# Altium PCB TRNG_ying_0_2.PcbDoc
Units mm, origin at the board's own origin, x right, y up, seen from the top; angles counter-clockwise.
Board outline 53.34 x 14.73 mm, 2 copper layers (Top Layer, Bottom Layer); 39 components, 30 nets, 160 pads, 29 vias.
Unrouted connection lines stored in the file: 27.
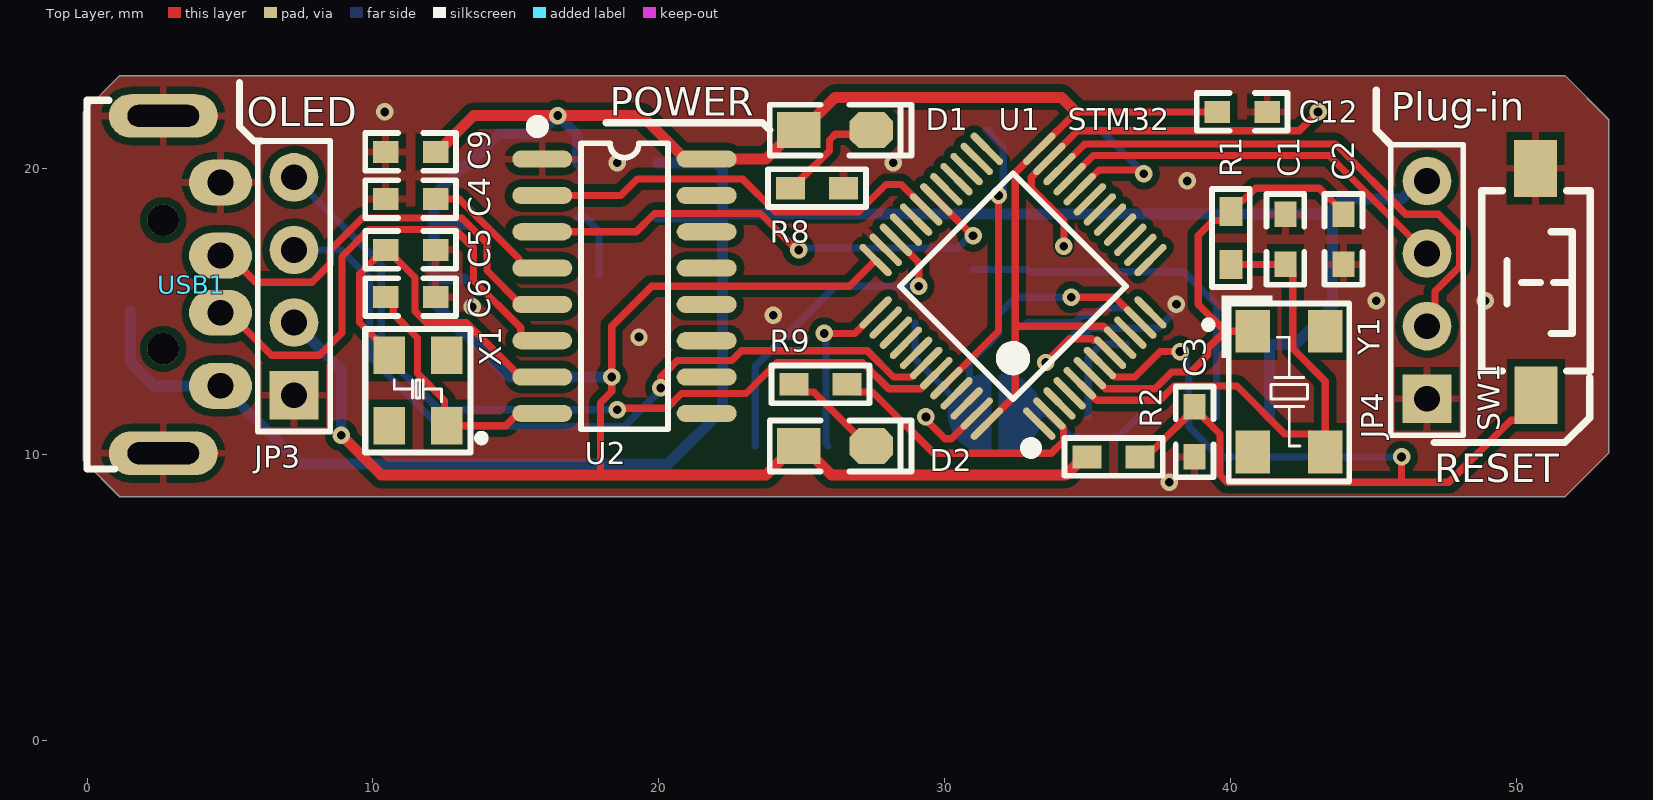
[diagram p0: Top Layer view]
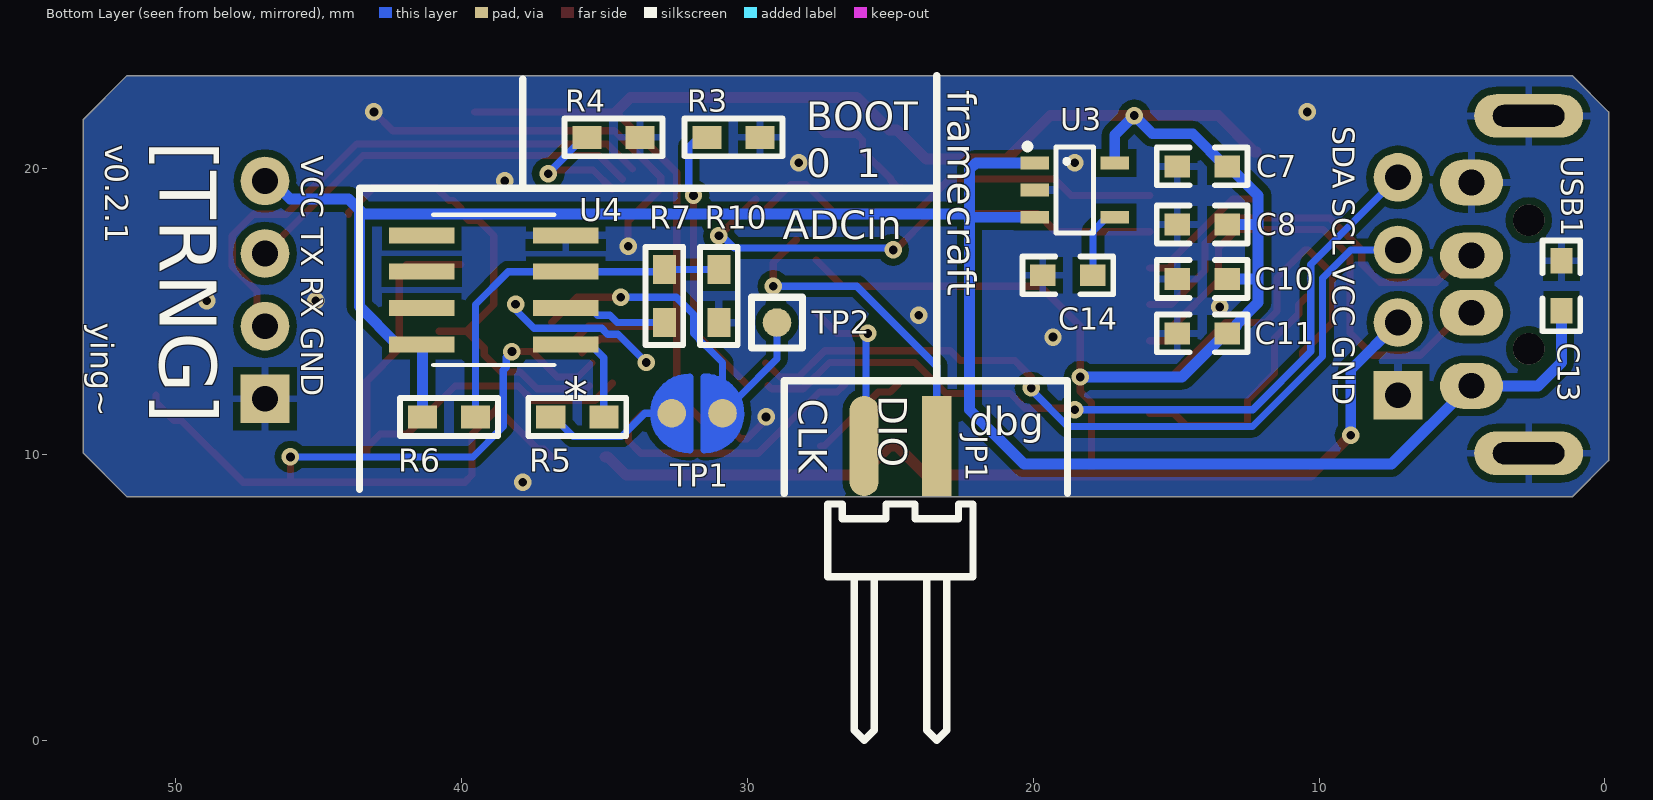
[diagram p1: Bottom Layer view, seen from below]

## Layer stack, top to bottom
Top Solder: solder mask 0.0102, Solder Resist, Dk 3.5
Top Layer: signal copper 0.36
Dielectric 1: dielectric 0.32, FR-4, Dk 4.8
Bottom Layer: signal copper 0.36
Bottom Solder: solder mask 0.0102, Solder Resist, Dk 3.5

## Board outline
-0.127,9.779 1.143,8.509 51.689,8.509 53.213,10.033 53.213,21.717 51.689,23.241 1.143,23.241 -0.127,21.971

## Design rules (kind name [scope] priority, off if disabled: settings)
Clearance [All] p1: gap=0.152 ignorepadtopadclearanceinfootprint=FALSE except(0.254: Arc-Poly Track-Poly SMDPad-Poly THPad-Poly Via-Poly Fill-Poly Poly-Poly)
DiffPairsRouting [All] p1: maxlimit=0.254 minlimit=0.152 mostfreqgap=0.254 toplayer_minwidth=0.381 toplayer_maxwidth=0.381 toplayer_prefwidth=0.381 bottomlayer_minwidth=0.381 bottomlayer_maxwidth=0.381 bottomlayer_prefwidth=0.381 maxuncoupledlength=12.7
HoleToHoleClearance [All] p1: gap=0.152 allowstackedmicrovias=TRUE
MinimumSolderMaskSliver [All] p1: minsoldermaskwidth=0.025
PolygonConnect [All] p1: thpad.connectstyle=Relief thpad.reliefconductorwidth=0.254 thpad.reliefentries=4 thpad.polygonreliefangle="90 Angle" thpad.airgapwidth=0.254 smdpad.connectstyle=Relief smdpad.reliefconductorwidth=0.254 smdpad.reliefentries=4 smdpad.polygonreliefangle="90 Angle" smdpad.airgapwidth=0.254 via.connectstyle=Direct via.reliefconductorwidth=0.254 via.reliefentries=4 via.polygonreliefangle="90 Angle" via.airgapwidth=0.254
RoutingVias [All] p1: holewidth=0.305 width=0.61 viastyle="Through Hole" minholewidth=0.254 minwidth=0.305 maxholewidth=0.33 maxwidth=0.686
SilkToSilkClearance [All] p1: silktosilkclearance=0
SilkToSolderMaskClearance [IsPad] p1: minsilkscreentomaskgap=0.025 clearancetoexposedcopper=TRUE
SolderMaskExpansion [All] p1: expansion=0.102 istentingtop=FALSE
Width [All] p1: maxlimit=0.508 minlimit=0.254 preferedwidth=0.254
25 further rules are at their usual default settings.

## Components (designator, comment, footprint, x,y, rotation, side; value= is the part's Value field where it differs from the comment)
C1 "22P,0603" "C 0603" 41.91,17.526 r90 top value=104
C2 "22P,0603" "C 0603" 43.942,17.501 r270 top value=104
C3 "105 C0603" "C 0603" 38.735,10.795 r90 top value=104
C4 "104" "C 0603" 11.303,18.923 r180 top
C5 "33p" "C 0603" 11.303,17.145 r180 top
C6 "33p" "C 0603" 11.303,15.494 r180 top
C7 "105 C0603" "C 0603" 14.072,20.066 r180 bottom value=104
C8 "105 C0603" "C 0603" 14.072,18.034 r180 bottom value=104
C9 "105 C0603" "C 0603" 11.328,20.574 r0 top value=104
C10 "105 C0603" "C 0603" 14.072,16.129 r180 bottom value=104
C11 "105 C0603" "C 0603" 14.072,14.224 r180 bottom value=104
C12 "105 C0603" "C 0603" 40.386,21.971 r180 top value=104
C13 "105 C0603" "C 0603" 1.524,15.875 r270 bottom value=104
C14 "105 C0603" "C 0603" 18.771,16.256 r180 bottom value=104
D1 "LED" "LED 0805G" 26.162,21.336 r0 top
D2 "LED" "LED 0805G" 26.162,10.287 r0 top
JP1 "HDR-1X2" "HDR2.54 S-W-2P" 23.368,10.287 r0 bottom
JP3 "HDR-1X4" HDR-1X4 7.239,12.065 r90 top
JP4 "HDR-1X4" HDR-1X4 46.863,11.938 r90 top
R1 "1M0603" "R 0603" 40.005,17.564 r270 top
R2 "10K R0603" "R 0603" 35.903,9.906 r180 top
R3 "10K R0603" "R 0603" 30.48,21.082 r180 bottom
R4 "10K R0603" "R 0603" 34.671,21.082 r0 bottom
R5 "1K" "R 0603" 35.941,11.303 r0 bottom
R6 "200K" "R 0603" 40.424,11.303 r180 bottom
R7 "10M" "R 0603" 32.893,15.532 r270 bottom
R8 "10K R0603" "R 0603" 25.527,19.304 r0 top
R9 "10K R0603" "R 0603" 25.654,12.446 r0 top
R10 "100K" "R 0603" 30.988,15.532 r270 bottom
SW1 "SW-PB_V" "TSW SMD-3*6*2.5" 50.673,16.002 r270 top
TP1 "DEBUG PAD" "DEBUG PAD2" 31.75,11.43 r180 bottom
TP2 "TEST" "TEST 1" 28.956,14.605 r180 bottom
U1 "stm32f103c8t6_48pin" "TQFP48 7x7_L" 32.385,15.875 r45 top
U2 "CH340G" SOP16_M 18.796,15.875 r0 top
U3 "RT9193" SOT23-5L 18.545,19.238 r270 bottom
U4 "AD8022ARZ" R_8_ADI-M 38.862,15.748 r0 bottom
USB1 "USB" USB_A/P_A 2.667,15.933 r270 top
X1 "12MHz" XTAL-3225 12.522,11.074 r180 top
Y1 "8M" XTAL-5032 42.037,12.192 r270 top

## Footprints (in the part's own frame and the unit in brackets; to place one, negate y for a bottom-side part, rotate by r counter-clockwise, add the part's x,y. Pads: shape width x height; smd on the part's side, far side on the other; paste and mask are expansions set on the pad)
"C 0603" [mil] "无极性贴片电容"
  rect 35x30 smd: 1(-35,0) 2(34,0)
  silkscreen extent -63,-26 62,26, body extent -31,-16 31,16, height 32
"DEBUG PAD2" [mm] "调试断点焊盘"
  round 1 smd: 1(-0.889,0) 2(0.889,0)
  Top Layer region: -0.254,1.27 -0.254,-1.27 -0.762,-1.143 -1.397,-0.508 -1.524,0.254 -1.27,0.762 -1.016,1.016 -0.508,1.27
  Top Layer region: 0.254,1.27 0.254,-1.27 0.762,-1.143 1.397,-0.508 1.524,0.254 1.27,0.762 1.016,1.016 0.508,1.27
  Top Layer lines w0.254: 1.412,0.523 cw(c0.254,0) 0.254,-1.27 0.254,1.27 cw(c0.254,0) 0.889,1.1 cw(c0.254,0) 1.412,0.523 ; -0.254,-1.27 cw(c-0.254,0) -1.524,0 cw(c-0.254,0) -0.254,1.27 -0.254,-1.27
"HDR2.54 S-W-2P" [mm] "2P卧式贴片排针2.54"
  rect 1.02x3.5 smd: 1(0,0)
  oval 1.02x3.5 smd: 2(2.54,0)
  silkscreen extent -1.27,2.03 3.81,10.29, body extent -1.27,-0.76 3.81,10.34, height 2.54
HDR-1X4 [mm] "排针，4脚"
  rect 1.7x1.7 hole 0.9: 1(0,0)
  round 1.7 hole 0.9: 2(2.54,0) 3(5.08,0) 4(7.62,0)
  silkscreen extent -1.27,-1.27 8.89,1.27, body extent -1.27,-1.27 8.89,1.27, height 8.5
"LED 0805G" [mil] "绿色0805LED"
  rect 60x50 smd: 1(-50,0)
  oct 60x50 smd: 2(50,0)
  silkscreen extent -90,-35 105,35, body extent -39,-25 39,25, height 32
"R 0603" [mil] "1/10W贴片电阻"
  rect 40x31.5 smd: 1(-36.5,0) 2(36.5,0)
  silkscreen extent -68,-26 68,26, body extent -31,-16 31,16, height 16
R_8_ADI-M [mil]
  rect 90x22 smd paste+0 mask+0: 1(-99,75) 2(-99,25) 3(-99,-25) 4(-99,-75) 5(99,-75) 6(99,-25) 7(99,25) 8(99,75)
  silkscreen extent -84,-104 84,104, body extent -122,-99 122,99, height 69
SOP16_M [mm] "10.3*6.2*1.8mm（长宽高）"
  oval 2.1x0.6 smd: 1(-2.875,4.445) 2(-2.875,3.175) 3(-2.875,1.905) 4(-2.875,0.635) 5(-2.875,-0.635) 6(-2.875,-1.905) 7(-2.875,-3.175) 8(-2.875,-4.445) 9(2.875,-4.445) 10(2.875,-3.175) 11(2.875,-1.905) 12(2.875,-0.635) 13(2.875,0.635) 14(2.875,1.905) 15(2.875,3.175) 16(2.875,4.445)
  silkscreen extent -3.2,-5 1.52,5.74, body extent -3,-5 3,5, height 1.9
SOT23-5L [mm] "3x1.6x1.1mm(长宽高)"
  rect 0.45x1 smd: 1(-0.95,-1.4) 2(0,-1.4) 3(0.95,-1.4) 4(0.95,1.4) 5(-0.95,1.4)
  silkscreen extent -1.6,-1.73 1.5,0.66, body extent -1.5,-1.4 1.5,1.4, height 1.15
"TEST 1" [mm] "测试点1mm"
  round 1 smd: 1(0,0)
  silkscreen extent -0.89,-0.89 0.89,0.89
"TQFP48 7x7_L" [mm] "48脚，体宽：7x7mm, 脚距：0.5mm"
  oval 0.25x1.5 smd: 1(-2.75,-4.046) 2(-2.25,-4.046) 3(-1.75,-4.046) 4(-1.25,-4.046) 5(-0.75,-4.046) 6(-0.25,-4.046) 7(0.25,-4.046) 8(0.75,-4.046) 9(1.25,-4.046) 10(1.75,-4.046) 11(2.25,-4.046) 12(2.75,-4.046) 25(2.75,4.046) 26(2.25,4.046) 27(1.75,4.046) 28(1.25,4.046) 29(0.75,4.046) 30(0.25,4.046) 31(-0.25,4.046) 32(-0.75,4.046) 33(-1.25,4.046) 34(-1.75,4.046) 35(-2.25,4.046) 36(-2.75,4.046)
  oval 1.5x0.25 smd: 13(4.046,-2.75) 14(4.046,-2.25) 15(4.046,-1.75) 16(4.046,-1.25) 17(4.046,-0.75) 18(4.046,-0.25) 19(4.046,0.25) 20(4.046,0.75) 21(4.046,1.25) 22(4.046,1.75) 23(4.046,2.25) 24(4.046,2.75) 37(-4.046,2.75) 38(-4.046,2.25) 39(-4.046,1.75) 40(-4.046,1.25) 41(-4.046,0.75) 42(-4.046,0.25) 43(-4.046,-0.25) 44(-4.046,-0.75) 45(-4.046,-1.25) 46(-4.046,-1.75) 47(-4.046,-2.25) 48(-4.046,-2.75)
  silkscreen extent -3.68,-4.57 2.79,2.79, body extent -4.5,-4.5 4.5,4.5, height 1.05
"TSW SMD-3*6*2.5" [mm] "3*6*2.5mm"
  rect 2x1.5 smd: 1(-3.996,-0.02) 2(3.937,0)
  silkscreen extent -3.21,-1.9 3.09,1.9, body extent -4,-1.88 4,1.62, height 2.59
USB_A/P_A [mm] "A型USB 插头，20*13*4.5mm"
  round 1.1 hole 1.1: 0(-2.25,0) 0(2.25,0)
  oval 1.6x2.2 hole 0.9: 1(3.543,2) 2(0.987,2) 3(-1.013,2) 4(-3.569,2)
  oval 1.524x3.81 hole 0.762 slot 2.5 at 90 deg: 4(-5.9,0) 4(5.9,0)
  silkscreen extent -6.45,-2.67 6.45,-1.7, body extent -6.47,-17.9 6.47,2.1, height 3.25
XTAL-3225 [mm]
  rect 1.1x1.3 smd: 1(-0.051,0.076) 2(-0.051,-2.388) 3(1.956,-2.388) 4(1.956,0.076)
  silkscreen extent -1.4,-3.3 2.79,1.02, body extent -0.34,-2.74 2.16,0.46, height 0.8
XTAL-5032 [mm]
  rect 1.5x1.2 smd: 1(-2.108,-1.27) 2(2.108,-1.27) 3(2.108,1.27) 4(-2.108,1.27)
  silkscreen extent -3.35,-2.95 3.15,2.11, body extent -2.5,-1.6 2.5,1.6, height 1

## Part data
C1 C2: library part Cap, "Capacitor", LatestRevisionDate=17-Jul-2002, LatestRevisionNote="Re-released for DXP Platform.", Published=8-Jun-2000, Publisher="Altium Limited"
C3 C7 C8 C9 C10 C11 C12 C13 C14: library part Cap, LatestRevisionDate=17-Jul-2002, LatestRevisionNote="Re-released for DXP Platform.", Published=8-Jun-2000, Publisher="Altium Limited"
C4 C5 C6: BOM_Manufacturer="Samsung Electro-Mechanics", BOM_Manufacturer Part=CL10C330JC81PNC, BOM_Supplier=LCSC, BOM_Supplier Part=C472790, Contributor=LCSC, nameAlias=Capacitance, spicePre=C, spiceSymbolName=CL10C330JC81PNC
JP1: library part "Header 2", "2P接插件", BOM名称=2P接插件, 版权归属=源创客, 学习资源=www.ooocke.com
JP3 JP4: library part "Header 4", "4P接插件", BOM名称=4P接插件, 版权归属=源创客, 学习资源=www.ooocke.com
R1: library part Res2, "Resistor", LatestRevisionDate=17-Jul-2002, LatestRevisionNote="Re-released for DXP Platform.", Published=8-Jun-2000, Publisher="Altium Limited"
R2 R3 R4 R8 R9: library part Res2, LatestRevisionDate=17-Jul-2002, LatestRevisionNote="Re-released for DXP Platform.", Published=8-Jun-2000, Publisher="Altium Limited"
R5 R6 R7 R10: library part R, "贴片电阻", BOM名称=贴片电阻, 版权归属=源创客, 学习资源=www.ooocke.com
TP1: library part DEBUG, "调试断点焊盘", BOM名称=调试断点焊盘, 版权归属=源创客, 学习资源=www.ooocke.com
TP2: "测试点", BOM名称=测试点, 版权归属=源创客, 学习资源=www.ooocke.com
U2: BOM_LCSC Assembly=Yes, BOM_Manufacturer=WCH, BOM_Manufacturer Part=CH340G, BOM_Supplier=LCSC, BOM_Supplier Part=C14267, image=//image.lceda.cn/szlcsc/C14267.jpg, SMT Type=Basic, spicePre=U, spiceSymbolName=CH340G, timeStamp=1468327462
U3: library part RT9193X_5P, ICA_MFR_NAME=RICHTEK, ICA_PARTNUM=$$2191094$$RT9193-15CU5, Part Number=TMP-13
U4: "AD8022内置两个低噪声、高速、电压反馈型放大器", Mfr_Name="Analog Devices Inc", Copyright="Copyright (C) 2021 Ultra Librarian. All rights reserved.", Manufacturer_Part_Number=AD8022ARZ, RefDes=RefDes, Type=DEV
USB1: library part USB-A/P, "USB-A型公接口", BOM名称=USB-A型公接口, 版权归属=源创客, 学习资源=www.ooocke.com
X1: BOM_LCSC Assembly=Yes, BOM_Manufacturer="TAITIEN Elec", BOM_Manufacturer Part=XSHEELNANF-12MHZ, BOM_Supplier=LCSC, BOM_Supplier Part=C295065, Contributor=LCSC, nameAlias=Frequency, SMT Type=Extend, spicePre=X, spiceSymbolName=XSHEELNANF-12MHZ
Y1: library part XTAL, "Crystal Oscillator", LatestRevisionDate=17-Jul-2002, LatestRevisionNote="Re-released for DXP Platform.", Published=8-Jun-2000, Publisher="Altium Limited"

## Via types
v1: diameter 0.61, hole 0.305, Top Layer to Bottom Layer, 29 vias

## Nets (pads, with @x,y where several pads share a name; then routed paths per layer and width w, separated by ;. In a path a pad name is that pad's centre, name@x,y a point inside that pad or via, vN(x,y) a via of type N, cw(c..) or ccw(c..) an arc to the next point about the centre after c; other vN are vias at no path point)
5V: C13.2 JP4.4 R6.1 U3.1 U3.3 U4.8 USB1.1 | length 71.7
  Bottom Layer w0.381: C13.2 1.524,13.208 2.342,12.39 USB1.1 4.729,12.39 7.467,9.652 20.32,9.652 22.225,11.557 22.225,18.288 ; U3.3 22.225,18.288 ; U3.1 22.002,20.188 22.225,19.965 22.225,18.542 ; R6.1 41.351,13.818 U4.8 42.24,13.843 43.561,15.164 43.561,18.542 ; JP4.4 46.615,19.558 45.98,18.923 43.942,18.923 43.561,18.542 ; 22.225,18.288 22.225,18.542 ; 22.225,18.542 22.365,18.402 43.421,18.402 43.561,18.542
ADC_IN1: TP1.2 TP2.1 U1.11 | length 12.3
  Top Layer w0.254: v1(34.417,15.494) 35.948,15.494 U1.11
  Bottom Layer w0.254: TP2.1 28.956,13.335 30.338,11.953 TP1.2 ; 30.861,12.53 30.861,13.208 31.471,13.818 31.504,13.818 31.667,13.981 31.667,14.014 31.877,14.224 31.877,14.892 32.479,15.494 v1(34.417,15.494)
BOOT0: R3.1 U1.44 | length 10
  Top Layer w0.254: U1.44 31.877,14.306 v1(31.877,19.05)
  Bottom Layer w0.254: R3.1@31.553,21.336 31.445,21.336 32.042,20.739 32.042,19.215 v1(31.877,19.05)
BOOT1: R4.2 U1.20 | length 4.7
  Top Layer w0.254: U1.20 35.388,19.939 36.734,19.939 36.861,19.812 v1(36.957,19.812)
  Bottom Layer w0.254: R4.2@35.452,21.336 36.957,19.831 v1(36.957,19.812)
D+: U2.5 USB1.3 | length 14.7
  Top Layer w0.254: USB1.3 4.967,16.946 5.898,16.016 7.866,16.016 8.509,16.659 8.509,17.145 9.627,18.263 13.106,18.263 13.987,17.382 13.987,16.424 15.171,15.24 U2.5
D-: U2.6 USB1.2 | length 17.7
  Top Layer w0.254: USB1.2 4.967,14.946 6.451,13.462 8.128,13.462 8.915,14.249 8.915,16.916 9.855,17.856 12.878,17.856 13.335,17.399 13.513,17.221 13.513,16.078 15.168,14.423 15.168,14.13 15.328,13.97 U2.6
GND: C1.2 C2.2 C3.1 C4.2 C5.1 C6.1 C7.1 C8.1 C9.1 C10.1 C11.1 C12.1 C13.1 C14.1 JP3.1 JP4.1 R3.2 R4.1 R8.2 R10.2 SW1.1 U1.8 U1.23 U1.35 U1.47 U2.1 U3.2 U4.4 USB1.4 | length 24.7
  Top Layer w0.254: v1(29.337,11.303) 29.337,11.207 30.003,10.541 30.233,10.541 U1.47 ; v1(33.528,13.208) 34.357,14.037 35.148,14.037 35.202,13.983 35.337,13.983 U1.8 ; v1(34.163,17.272) 34.163,18.161 33.02,19.304 33.02,19.689 33.655,20.324 U1.23 33.721,20.393 33.724,20.393 33.724,20.396 34.639,21.311 42.393,21.311 v1(43.053,21.971)
  Bottom Layer w0.254: v1(33.528,13.208) 34.519,14.199 34.885,14.199 35.089,14.402 37.454,14.402 38.032,14.98 38.032,15.172 v1(38.1,15.24)
  other v1: 37.846,9.017 19.304,14.097 24.003,14.859 13.476,15.15 45.085,15.367 48.895,15.367 38.481,19.558 18.542,20.193 28.194,20.193 10.414,21.971
I2C1_SCL: JP3.3 U1.42 | length 28.2
  Top Layer w0.254: v1(20.066,12.319) 20.066,12.7 20.255,12.889 20.645,13.279 22.55,13.279 22.885,13.614 27.291,13.614 28.207,12.698 28.854,12.698 U1.42
  Bottom Layer w0.254: JP3.3 8.89,17.145 9.881,16.154 9.881,13.421 12.328,10.973 18.784,10.973 20.066,12.255 v1(20.066,12.319)
I2C1_SDA: JP3.4 U1.43 | length 28.3
  Top Layer w0.254: v1(18.542,11.557) 18.593,11.608 20.279,11.608 20.792,12.121 23.043,12.121 24.13,13.208 27.122,13.208 28.039,12.292 29.152,12.292 U1.43@29.259,12.398
  Bottom Layer w0.254: JP3.4 10.287,16.637 10.287,13.589 12.319,11.557 v1(18.542,11.557)
NetC5_2: C5.2 U2.7 X1.3 | length 12.5
  Top Layer w0.254: X1.3 10.566,13.562 9.525,14.603 9.525,16.294 10.376,17.145 C5.2 10.503,17.145 11.468,16.18 11.468,14.997 11.86,14.605 13.266,14.605 15.171,12.7 U2.7
NetC6_2: C6.2 U2.8 X1.1 | length 8.9
  Top Layer w0.254: C6.2 10.459,15.494 10.713,15.24 10.713,14.911 11.557,14.067 11.557,12.827 12.504,11.88 12.504,11.068 X1.1 14.646,10.998 15.077,11.43 U2.8
NetC14_2: C14.2 U3.4 | length 2.5
  Bottom Layer w0.254: U3.4 17.42,18.288 17.907,17.801 C14.2
NetD1_2: D1.2 R8.1 | length 3.9
  Top Layer w0.254: R8.1 24.708,19.304 24.981,19.577 24.981,19.633 25.966,20.618 25.966,20.991 26.162,21.187 27.283,21.187 D1.2
NetD2_2: D2.2 R9.1 | length 3.6
  Top Layer w0.254: R9.1 25,12.173 25.419,12.173 27.305,10.287 D2.2
NetR5_1: R5.1 U4.1 | length 3.6
  Bottom Layer w0.254: R5.1 35.014,13.373 35.484,13.843 U4.1
NetR5_2: R5.2 TP1.1 | length 4.8
  Bottom Layer w0.254: TP1.1 33.274,11.43 33.584,11.43 34.39,10.624 36.081,10.624 36.76,11.303 R5.2
NetR6_2: R6.2 R7.1 R10.1 U4.3 | length 13
  Bottom Layer w0.254: R10.1 R7.1 32.969,16.383 U4.3 38.354,16.383 39.497,15.24 R6.2
NetR7_2: R7.2 U4.2 | length 3.7
  Bottom Layer w0.254: R7.2 34.544,14.605 34.798,14.859 35.23,14.859 35.484,15.113 U4.2
OSCIN: C1.1 R1.2 U1.5 Y1.3 | length 19
  Top Layer w0.254: U1.5 34.718,12.484 35.317,11.885 37.517,11.885 38.014,12.383 40.213,12.383 41.889,10.707 42.834,10.707 Y1.3@43.307,10.234 ; R1.2 C1.1 42.164,16.383 42.164,13.698 43.307,12.555 Y1.3@43.307,10.234 ; Y1.3 Y1.3@43.307,10.234
OSCOUT: C2.1 R1.1 U1.6 Y1.1 | length 16.3
  Top Layer w0.254: U1.6@35.511,12.398 35.618,12.292 37.348,12.292 37.934,12.878 38.596,12.878 39.191,13.473 39.191,13.705 39.488,14.003 39.504,14.003 39.802,14.3 ; Y1.1 39.802,14.3 ; C2.1 43.942,18.453 43.091,19.304 40.862,19.304 40.43,18.872 40.278,18.872 40.005,18.599 R1.1 40.005,18.447 39.732,18.174 39.383,18.174 38.862,17.653 38.862,15.24 39.802,14.3
PC13_LED1: R9.2 U1.2 | length 9.9
  Top Layer w0.254: R9.2 26.854,12.173 27.47,12.173 29.61,10.033 33.721,10.033 34.148,10.46 34.148,10.927 33.655,11.42 U1.2
RESET: C3.2 R2.1 SW1.2 U1.7 | length 32.8
  Top Layer w0.254: U1.7 35.916,12.698 36.645,12.698 37.536,13.589 v1(38.227,13.589) ; R2.1 37.103,10.179 37.319,10.179 C3.2@38.735,11.595 ; C3.2 C3.2@38.735,11.595 ; v1(45.974,9.906) 45.974,9.017 ; SW1.2 50.673,11.815 50.05,11.192 49.8,11.192 47.625,9.017 45.974,9.017 ; C3.2@38.735,11.595 39.624,10.706 39.624,9.271 39.878,9.017 45.974,9.017
  Bottom Layer w0.254: v1(38.227,13.589) 38.422,13.394 38.422,13.044 38.527,12.939 38.527,10.97 39.591,9.906 v1(45.974,9.906)
SWDCLK: JP1.2 U1.37 | length 6.1
  Top Layer w0.254: v1(25.781,14.224) 26.845,14.224 U1.37
  Bottom Layer w0.254: v1(25.781,14.224) 25.845,14.16 25.845,10.351 JP1.2
SWDIO: JP1.1 U1.34 | length 11.6
  Top Layer w0.254: U1.34 29.083,16.702 v1(29.083,15.875)
  Bottom Layer w0.254: JP1.1 23.368,13.081 26.162,15.875 v1(29.083,15.875)
USART1_RX: U1.31 U2.2 | length 14.9
  Top Layer w0.254: U2.2 18.669,19.05 19.248,19.629 22.916,19.629 24.074,18.471 26.98,18.471 27.94,19.431 28.475,19.431 U1.31
USART1_TX: U1.30 U2.3 | length 17.9
  Top Layer w0.254: U2.3 19.21,17.78 19.845,18.415 23.555,18.415 24.825,17.145 v1(24.892,17.145) ; U1.30 29.704,18.913 30.976,17.64 v1(30.988,17.64)
  Bottom Layer w0.254: v1(24.892,17.145) 24.96,17.213 30.452,17.213 30.879,17.64 v1(30.988,17.64)
USART3_RX: JP4.2 U1.22 | length 19.3
  Top Layer w0.254: U1.22 34.888,20.853 43.663,20.853 46.121,18.395 47.264,18.395 48.006,17.653 48.006,16.564 47.14,15.697 47.14,14.755 JP4.2
USART3_TX: JP4.3 U1.21 | length 14.4
  Top Layer w0.254: U1.21 35.188,20.446 43.435,20.446 JP4.3
  Bottom Layer w0.254: JP4.3 JP4.3@46.99,17.018
V3: C4.1 U2.4 | length 4.8
  Top Layer w0.254: C4.1 13.021,18.923 15.105,16.839 15.105,16.67 15.265,16.51 U2.4
VCC3V3: C7.2 C8.2 C9.2 C10.2 C11.2 C12.2 D1.1 D2.1 JP3.2 R2.2 U1.9 U1.24 U1.36 U1.48 U2.16 U3.5 | length 114.6
  Top Layer w0.254: 17.958,9.322 17.958,11.799 18.35,12.191 v1(18.35,12.7) 18.35,14.477 19.748,15.875 26.663,15.875 U1.36 ; U1.48 32.461,12.062 32.461,14.478 ; U1.9 36.127,13.898 35.547,14.478 32.461,14.478 ; C12.2 34.592,21.971 U1.24 32.461,19.84 32.461,14.478
  Top Layer w0.381: v1(8.89,10.668) 10.287,9.271 23.749,9.271 24.765,10.287 25.019,10.287 26.035,9.271 34.233,9.271 34.868,9.906 R2.2 ; C9.2 12.255,20.574 13.525,21.844 v1(16.461,21.844) 19.397,21.844 20.921,20.32 U2.16 23.749,20.32 24.765,21.336 D1.1 25.019,21.336 26.162,22.479 34.084,22.479 34.592,21.971
  Bottom Layer w0.254: JP3.2 JP3.2@7.583,14.605
  Bottom Layer w0.381: JP3.2 8.89,12.954 v1(8.89,10.668) ; C10.2 12.128,16.129 ; C8.2 12.128,18.034 ; U3.5 17.145,21.16 v1(16.461,21.844) 15.826,21.209 14.414,21.209 13.271,20.066 C7.2 13.144,20.066 12.128,19.05 12.128,18.034 ; v1(18.35,12.7) 14.795,12.7 13.271,14.224 C11.2 13.144,14.224 12.89,14.478 12.89,14.541 12.128,15.303 12.128,16.129 ; 12.128,16.129 12.128,18.034
pads on no net: U1.1 U1.3 U1.4 U1.10 U1.12 U1.13 U1.14 U1.15 U1.16 U1.17 U1.18 U1.19 U1.25 U1.26 U1.27 U1.28 U1.29 U1.32 U1.33 U1.38 U1.39 U1.40 U1.41 U1.45 U1.46 U2.9 U2.10 U2.11 U2.12 U2.13 U2.14 U2.15 U4.5 U4.6 U4.7 USB1.0 X1.2 X1.4 Y1.2 Y1.4

## Polygon pours and split planes (outlines as drawn)
GND on Top Layer "Top Layer-GND" (solid, remove dead copper, pour order 0): 1.143,23.241 51.689,23.241 53.213,21.717 53.213,10.033 51.689,8.509 1.143,8.509 -0.127,9.779 -0.127,21.971
GND on Bottom Layer "Bottom Layer-GND" (solid, remove dead copper, pour order 1): 53.213,21.717 51.689,23.241 1.143,23.241 -0.127,21.971 -0.127,9.779 1.143,8.509 51.689,8.509 53.213,10.033

## Silkscreen, mask and mechanical layers (free items; w line width, h text height)
Top Overlay:
  lines w0.254: 5.334,22.987 5.334,21.463 5.842,20.955 6.096,20.955 ; 18.161,21.59 23.622,21.59 23.876,21.336 ; 45.085,22.733 45.085,21.336 45.593,20.828 ; 47.117,10.414 51.689,10.414 52.553,11.278 52.553,12.675
  text "POWER" at 18.288,21.844 h1
  text "Plug-in" at 45.593,21.669 h1
  text "OLED" at 5.588,21.463 h1.02
  text "STM32" at 34.29,21.336 h0.76
  text "RESET" at 47.117,9.017 h1
Bottom Overlay:
  lines w0.254: 18.796,8.636 18.796,12.573 28.702,12.573 28.702,8.636 ; 23.368,12.573 23.368,19.304 ; 23.368,23.241 23.368,19.304 ; 37.846,19.431 37.846,23.114 ; 43.561,8.763 43.561,19.304 23.368,19.304
  text "framecraft" at 22.987,22.733 h1 r90
  text "SDA SCL VCC GND" at 9.525,21.463 h0.76 r90
  text "BOOT" at 27.94,21.336 h1
  text "[TRNG]" at 50.546,20.955 h2 r90
  text "v0.2.1" at 52.451,20.828 h0.8 r90
  text "VCC TX RX GND" at 45.593,20.447 h0.76 r90
  text "0  1" at 27.94,19.685 h1
  text "ADCin" at 28.756,17.526 h1
  text "ying~" at 52.959,14.605 h0.8 r90
  text "DIO" at 25.4,12.065 h1 r90
  text "CLK" at 28.194,11.938 h1 r90
  text "dbg" at 22.225,10.668 h1
Mechanical 1:
  the board outline again, w0.2

## Text inside footprints (layer, text, board x,y; h text height)
U4: Bottom Overlay "*" at 35.56,13.208 h1.27 r180; Mechanical 13 "*" at 36.932,14.592 h1.27 r180